# Altium PCB Notecarrier-XI_V4.PcbDoc (part 1 of 2)
Units mm, origin at the board's own origin, x right, y up, seen from the top; angles counter-clockwise.
Board outline 74.12 x 95.45 mm, 4 copper layers (Top Layer, GROUND, POWER, Bottom Layer), stack 1.556 mm thick; 103 components, 85 nets, 532 pads, 362 vias.
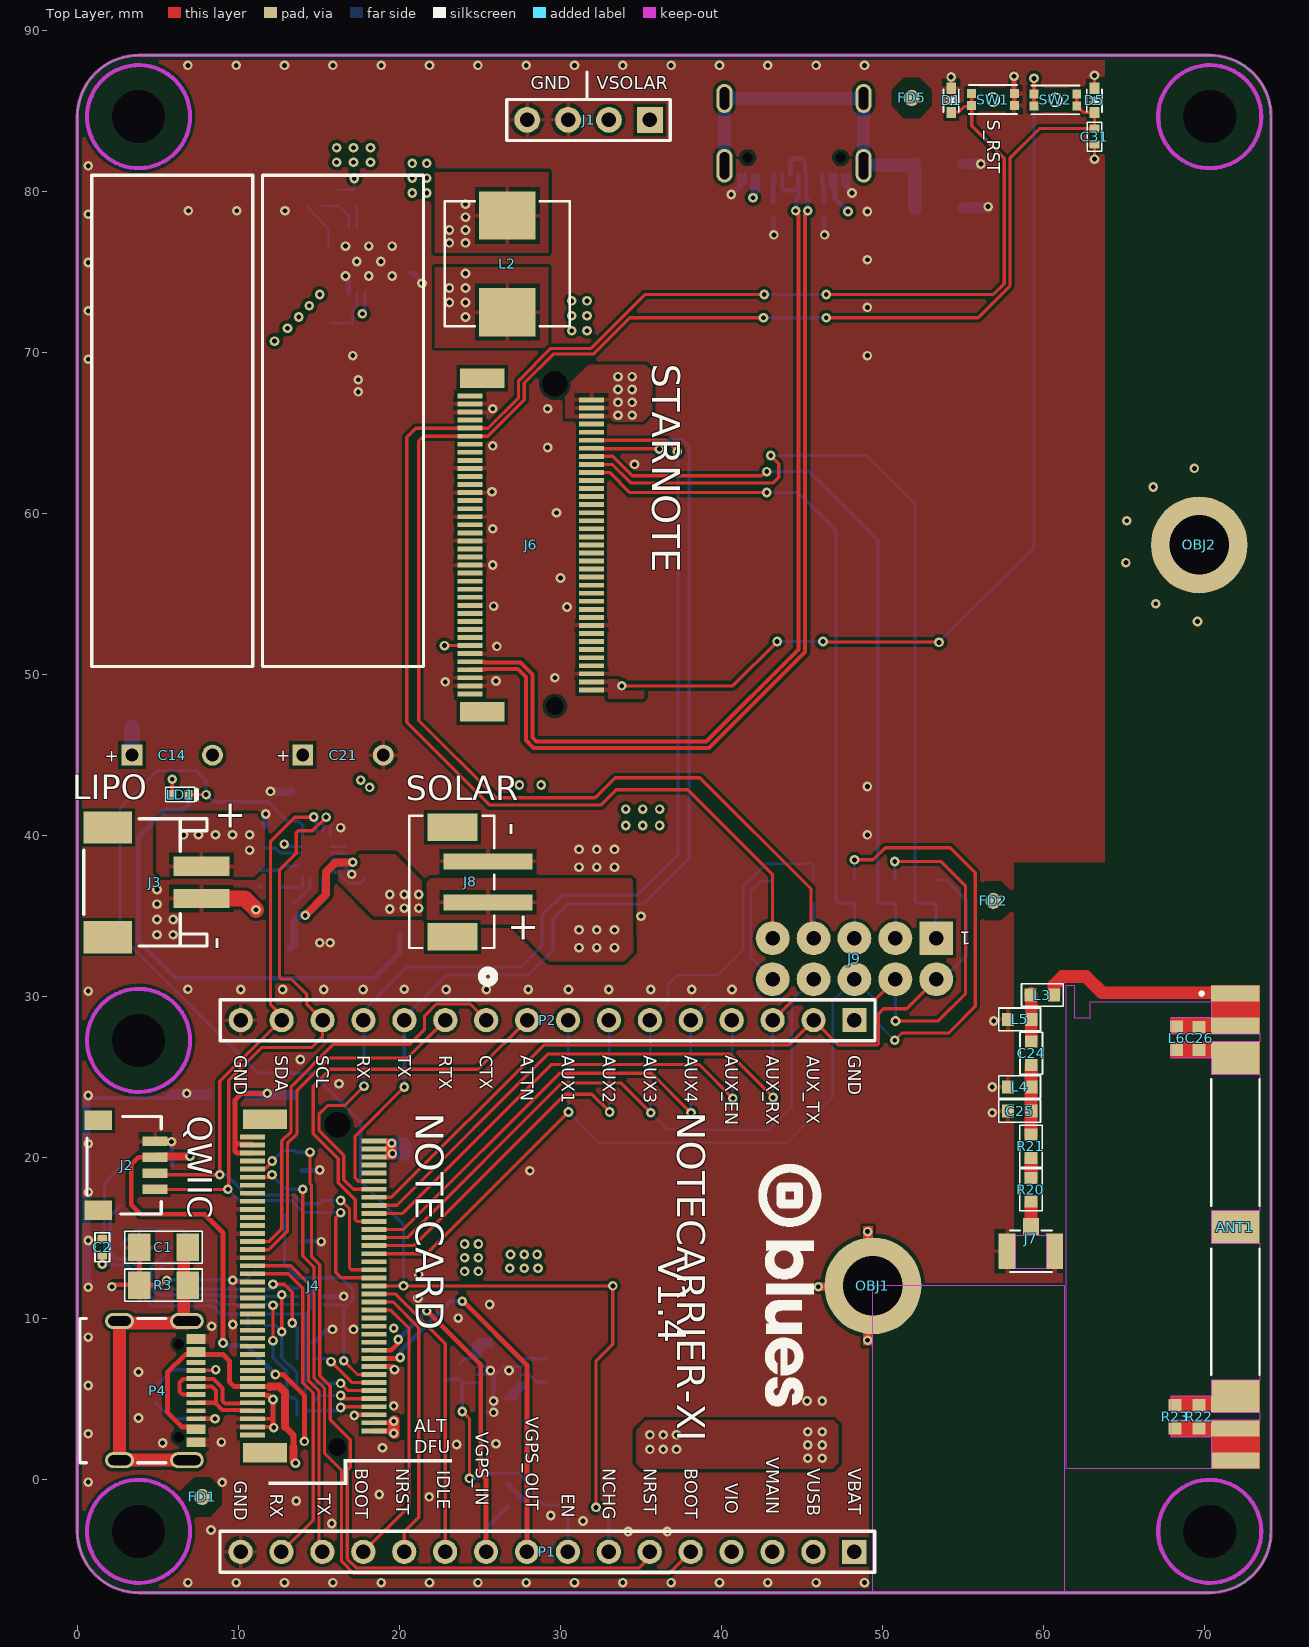
[diagram p0: Top Layer view]
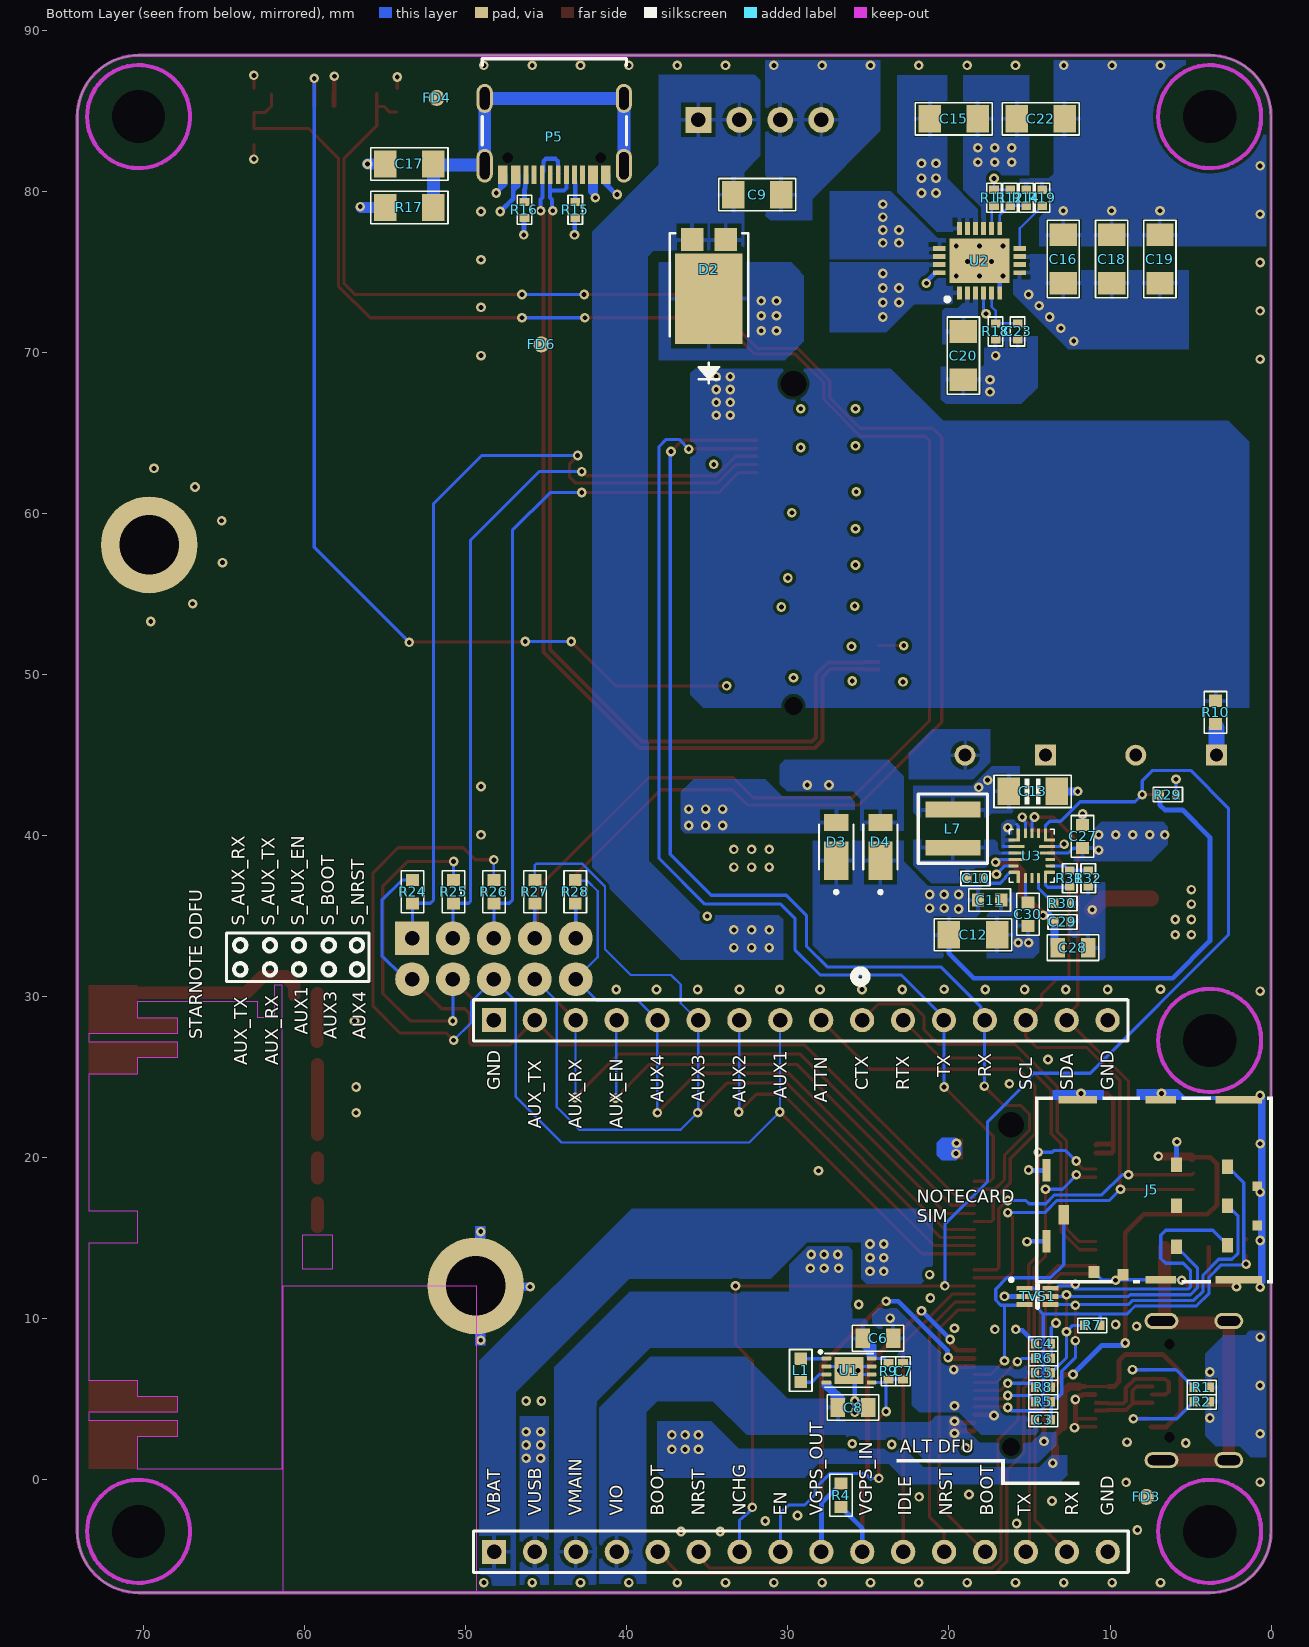
[diagram p1: Bottom Layer view, seen from below]
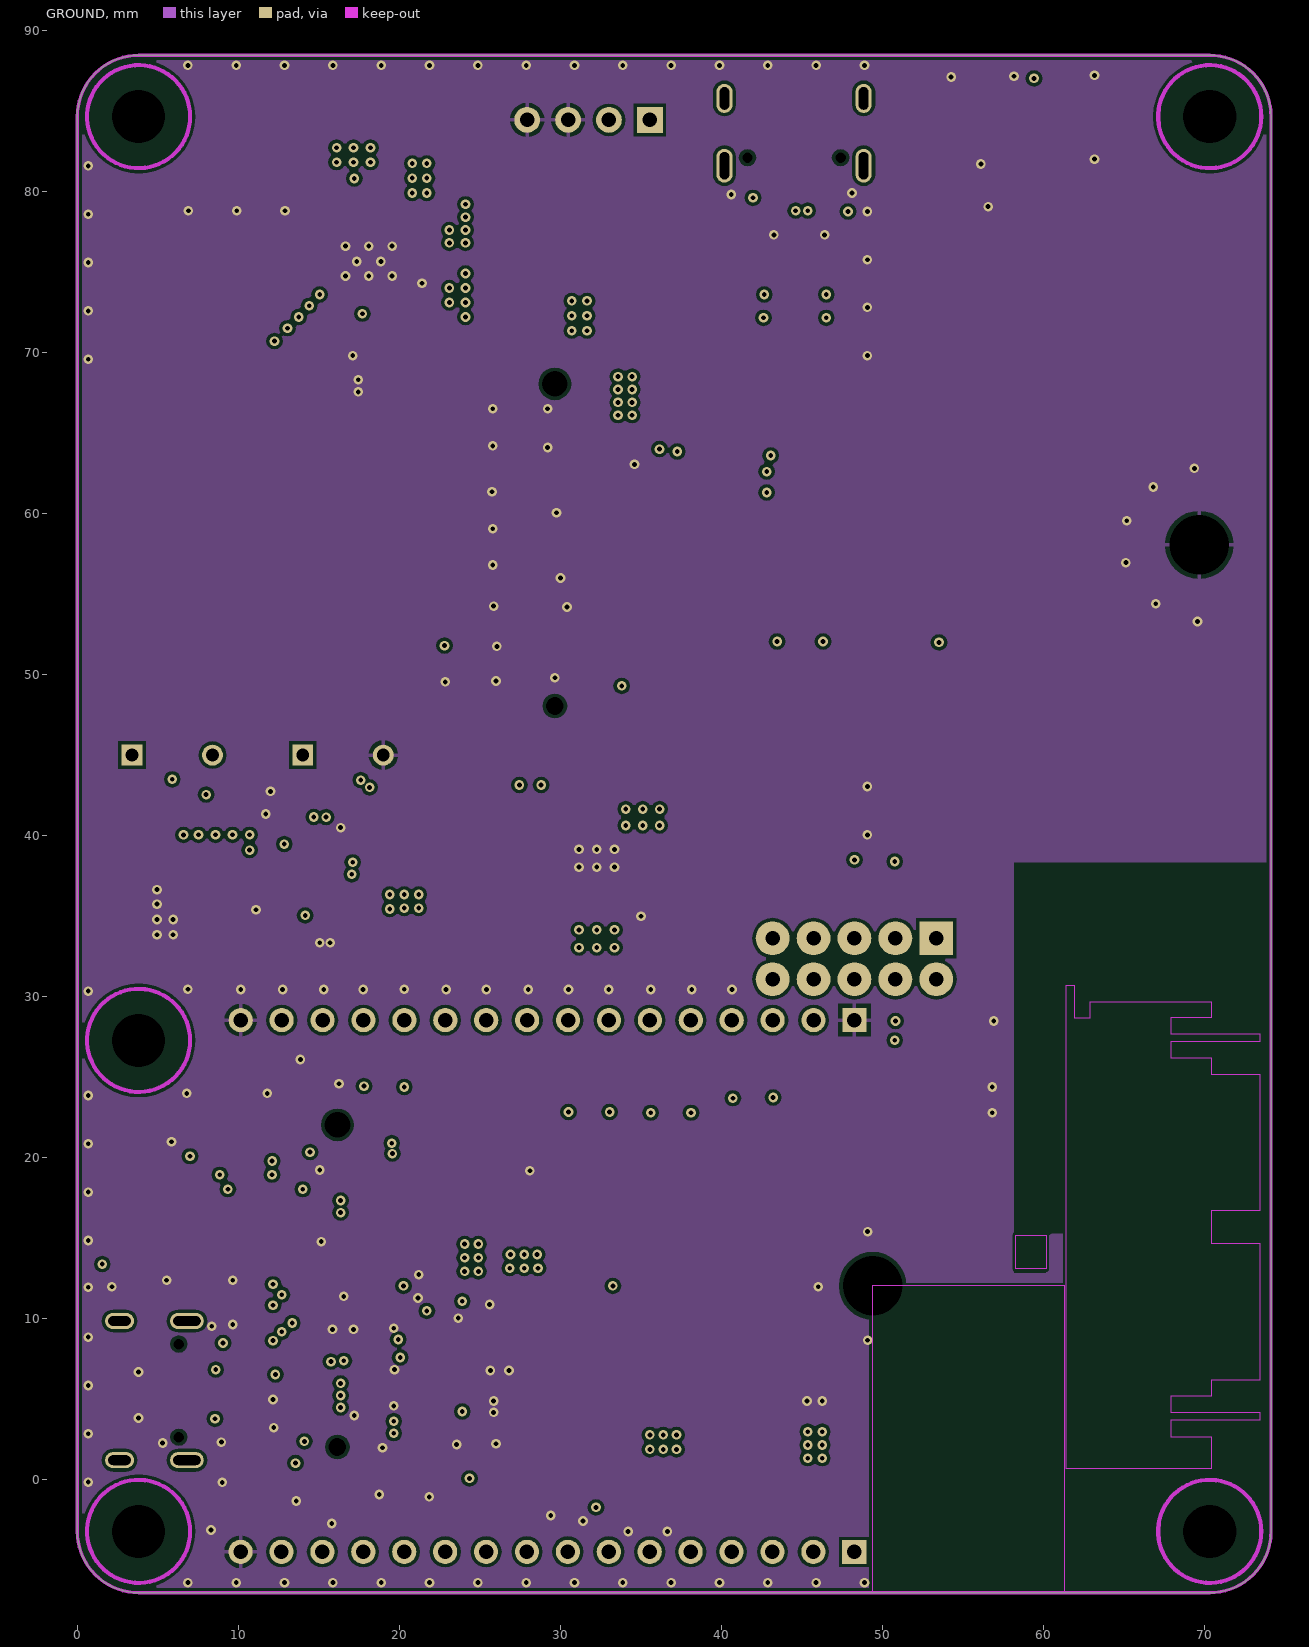
[diagram p2: GROUND]
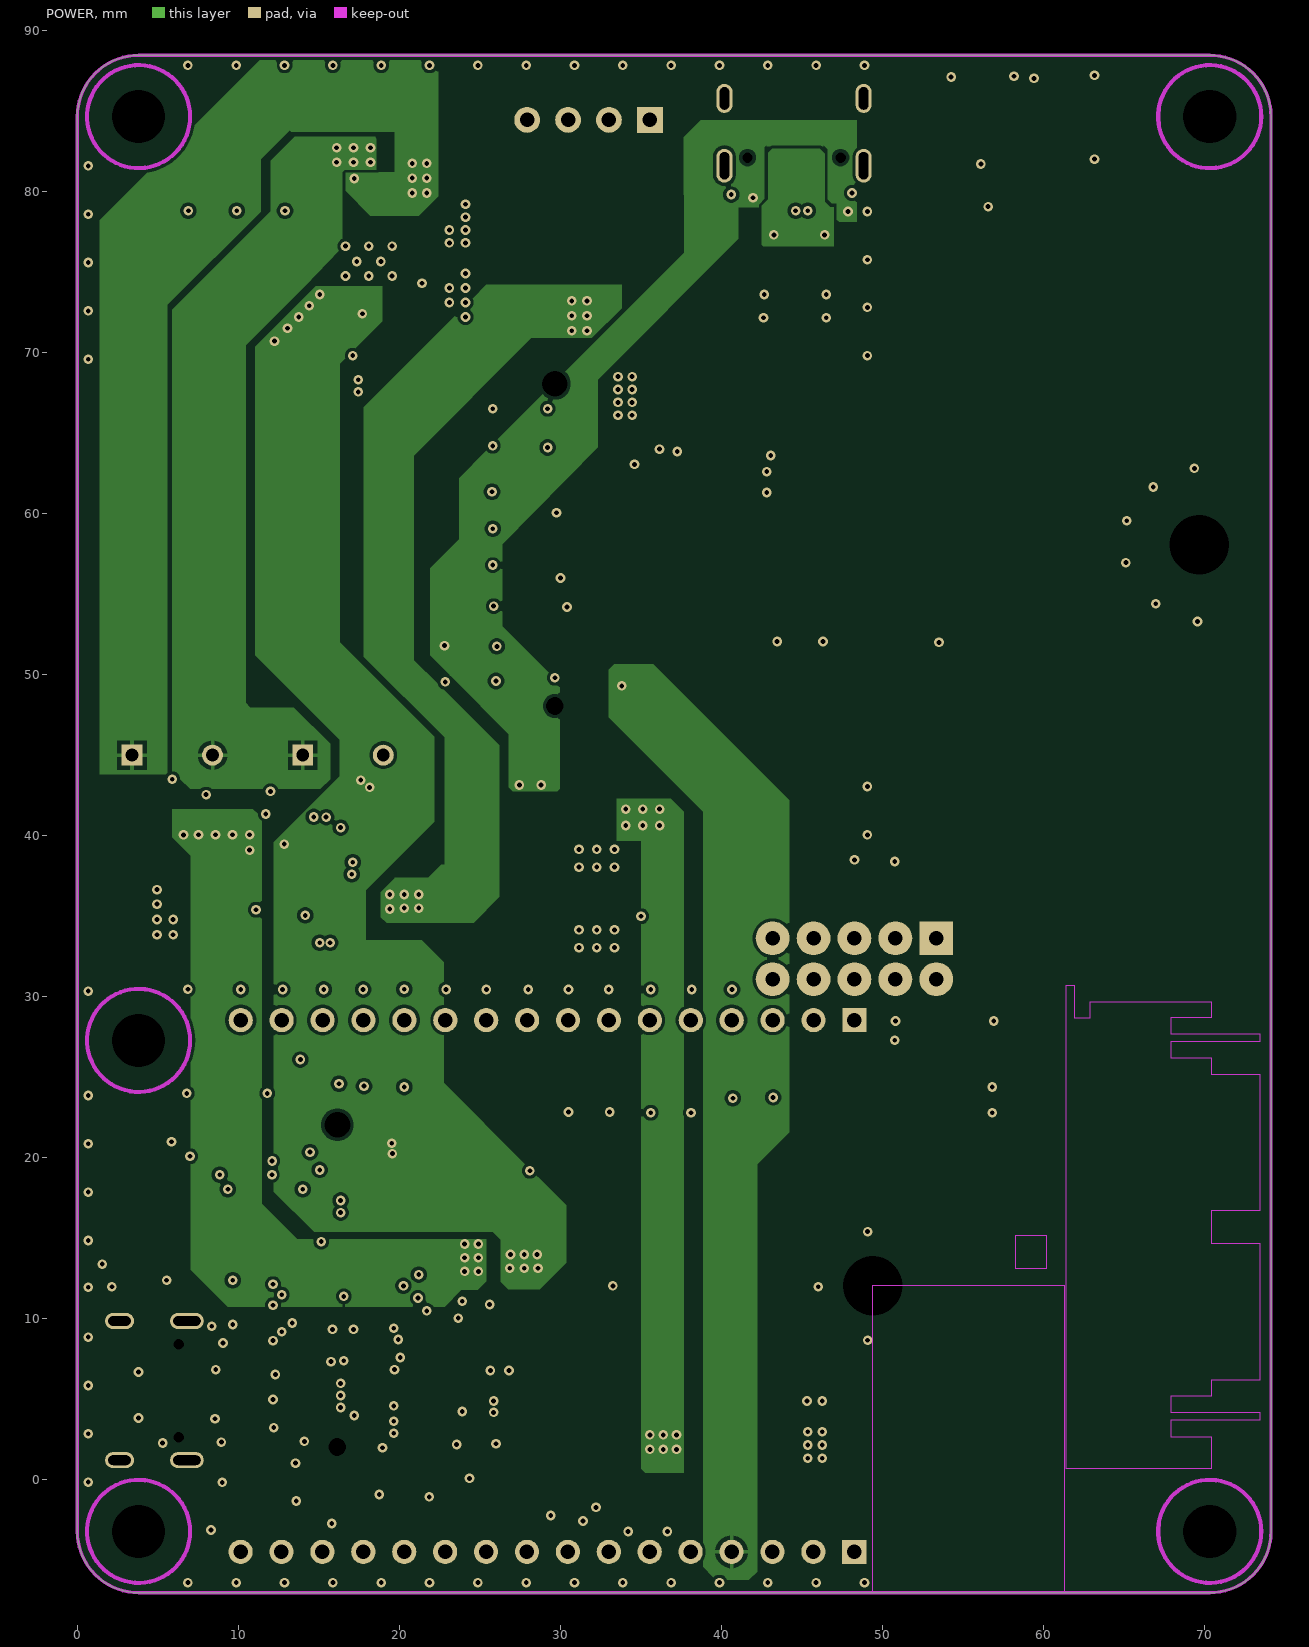
[diagram p3: POWER]

## Layer stack, top to bottom
Top Solder: solder mask 0.015, Solder Resist, Dk 3.5
Top Layer: signal copper 0.035
Dielectric1: prepreg 0.203, FR-4, Dk 4.2
GROUND: signal copper 0.025
Dielectric2: core 1.03, FR-4, Dk 4.2
POWER: signal copper 0.025
Dielectric3: prepreg 0.203, FR-4, Dk 4.2
Bottom Layer: signal copper 0.035
Bottom Solder: solder mask 0.015, Solder Resist, Dk 3.5

## Board outline
0,-3.19 0,84.64 cw(c3.81,84.64) 3.81,88.45 70.305,88.45 cw(c70.305,84.64) 74.115,84.64 74.115,-3.19 cw(c70.305,-3.19) 70.305,-7 3.81,-7 cw(c3.81,-3.19)

## Design rules (kind name [scope] priority, off if disabled: settings)
Clearance Clearance_Via [isVia vs isVia] p1: gap=0 ignorepadtopadclearanceinfootprint=FALSE
Clearance Clearance_Polygon_50ohm [InNetClass('50ohm') vs InPoly] p2: gap=0.15 ignorepadtopadclearanceinfootprint=FALSE
Clearance "Clearance Polygon" [InPoly] p3: gap=0.2 ignorepadtopadclearanceinfootprint=FALSE
Clearance [All] p4: gap=0.15 ignorepadtopadclearanceinfootprint=FALSE
ComponentClearance ComponentClearance_SIM [InComponent('P3') vs InComponent('U7')] p1: gap=0 collisioncheckmode=3 verticalgap=0 showdistances=FALSE
ComponentClearance ComponentClearance_Logo [InComponent('LG1')] p2: gap=0 collisioncheckmode=3 verticalgap=0 showdistances=FALSE
ComponentClearance [All] p3: gap=0 collisioncheckmode=3 verticalgap=0 showdistances=FALSE
DiffPairsRouting [InDifferentialPairClass('All Differential Pairs')] p1: maxlimit=0.254 minlimit=0.15 mostfreqgap=0.254 toplayer_maxgap=0.15 toplayer_prefgap=0.15 toplayer_minwidth=0.259 toplayer_maxwidth=0.259 toplayer_prefwidth=0.259 bottomlayer_maxgap=0.15 bottomlayer_prefgap=0.15 bottomlayer_minwidth=0.259 bottomlayer_maxwidth=0.259 bottomlayer_prefwidth=0.259 impedanceprofiledriven=TRUE impedanceprofileid={1530AFC9-1D9B-43AC-B6AA-152522D25EE9} impedanceprofilevalue=90.000000 maxuncoupledlength=12.7
FabricationTestPointUsage TestPointUsage [All] p1: valid=0 allowmultiple=FALSE
FabricationTestpoint Testpoint [All] p1: side=3 testpointundercomponent=TRUE minsize=1.016 maxsize=2.54 preferedsize=1.524 minholesize=0 maxholesize=1.016 preferedholesize=0.813 testpointgrid=0.025 allowsidetop=TRUE allowsidebottom=TRUE usegrid=TRUE gridtolerance=0
HoleSize [All] p1: absolutevalues=TRUE maxlimit=5 minlimit=0.025 maxpercent=80.000 minpercent=20.000
HoleToHoleClearance [All] p1: gap=0.3 allowstackedmicrovias=TRUE
MinimumSolderMaskSliver [All] p1: minsoldermaskwidth=0.025
NetAntennae [InNet('NetA1_1')] p1: netantennaetolerance=500
PasteMaskExpansion [All] p1: expansion=-0.025
PlaneClearance [All] p1: clearance=0.3
PlaneConnect [All] p1: planeconnectstyle=Relief reliefexpansion=0.2 reliefentries=4 reliefconductorwidth=0.25 reliefairgap=0.2
PolygonConnect PolygonConnect_TP [HasFootprint('PCB_Testpoint_SMD')] p1: connectstyle=Direct reliefconductorwidth=0.254 reliefentries=4 polygonreliefangle="90 Angle" airgapwidth=0.254
PolygonConnect PolygonConnect_Antenna [(HasFootprint('ANT_868MHz_Sigfox_Impulse_Meter_V4'))] p2: connectstyle=Direct reliefconductorwidth=0.254 reliefentries=4 polygonreliefangle="90 Angle" airgapwidth=0.254
PolygonConnect PolygonConnect_Via [IsVia] p3: connectstyle=Direct reliefconductorwidth=0.254 reliefentries=4 polygonreliefangle="90 Angle" airgapwidth=0.254
PolygonConnect [All] p4: connectstyle=Relief reliefconductorwidth=0.25 reliefentries=4 polygonreliefangle="90 Angle" airgapwidth=0.254
RoutingVias [All] p1: holewidth=0.3 width=0.6 viastyle="Through Hole" minholewidth=0.3 minwidth=0.6 maxholewidth=0.4 maxwidth=1.27 useviatemplates=TRUE viatemplateguid#1={F87F1DD2-2830-4113-9D3C-AC319E6AD003} viatemplatename#1=v60h30m0mx0
ShortCircuit "PCB Antenna" [(HasFootprint('ANT_868MHz_Sigfox_Impulse_Meter_V4'))] p1: allowed=TRUE
ShortCircuit [All] p2: allowed=FALSE
SilkToSilkClearance [All] p1: silktosilkclearance=0.1
SilkToSolderMaskClearance SilkscreenOverComponentPads [IsPad] p1: minsilkscreentomaskgap=0.1 clearancetoexposedcopper=TRUE
SolderMaskExpansion [All] p1: expansion=0.1 istentingtop=FALSE
SupplyNets "Schematic Supply Nets_13" [InNet('+VSOLAR')] p1: voltage=0.000
SupplyNets "Schematic Supply Nets_12" [InNet('+VBUS')] p2: voltage=0.000
SupplyNets "Schematic Supply Nets_11" [InNet('+VMODEM')] p3: voltage=0.000
SupplyNets "Schematic Supply Nets_10" [InNet('+VMAIN')] p4: voltage=0.000
SupplyNets "Schematic Supply Nets_9" [InNet('USB_SHIELD')] p5: voltage=0.000
SupplyNets "Schematic Supply Nets_8" [InNet('+VACT_GPS_IN')] p6: voltage=0.000
SupplyNets "Schematic Supply Nets_7" [InNet('+VACT_GPS_OUT')] p7: voltage=0.000
SupplyNets "Schematic Supply Nets_6" [InNet('+VUSB')] p8: voltage=0.000
SupplyNets "Schematic Supply Nets_4" [InNet('GND')] p9: voltage=0.000
SupplyNets "Schematic Supply Nets_3" [InNet('+VUSB_S')] p10: voltage=0.000
SupplyNets "Schematic Supply Nets_2" [InNet('+VBAT')] p11: voltage=0.000
SupplyNets "Schematic Supply Nets_1" [InNet('+VIO')] p12: voltage=0.000
SupplyNets "Schematic Supply Nets" [InNet('USB_SHIELD_2')] p13: voltage=0.000
Width [All] p1: maxlimit=3 minlimit=0.15 preferedwidth=0.3 toplayer_prefwidth=0.2 midlayer1_prefwidth=0.15 minimp=50.000000 maximp=50.000000 favimp=50.000000 checkconnectedcopper=TRUE
16 further rules are at their usual default settings.

## Classes and differential pairs
differential pair USB_S_D: +USB_S_D_P -USB_S_D_N
differential pair USB_D: +USB_D_P -USB_D_N

## Components (designator, comment, footprint, x,y, rotation, side; value= is the part's Value field where it differs from the comment)
ANT1 "NN03-310" XCVR_NN03-310 71.9,15.7 r270 top
C1 "10n/1000V" C-1206 5.35,14.45 r180 top
C2 "100n" C-0402 1.55,14.45 r270 top
C3 "33p" C-0402 14.15,3.75 r180 bottom
C4 "33p" C-0402 14.15,8.45 r180 bottom
C5 "33p" C-0402 14.15,6.65 r180 bottom
C6 "22u" C-0805 24.4,8.8 r0 bottom
C7 "100n" C-0402 22.85,6.75 r90 bottom
C8 "22u" C-0805 25.95,4.5 r0 bottom
C9 "10u" C-1206 31.9,79.8 r0 bottom
C10 "47n/50V" C-0402 18.35,37.35 r0 bottom
C11 "100n" C-0603 17.475,36 r0 bottom
C12 "10u" C-1206 18.5,33.85 r180 bottom
C13 "10u" C-1206 14.8,42.75 r180 bottom
C14 "BCAP0010_P300_X12" BCAP0010P300X12 3.4,45 r0 top
C15 "10u" C-1206 19.7,84.5 r0 bottom
C16 "10u" C-1206 12.9,75.8 r270 bottom
C17 "10n/1000V" C-1206 53.5,81.7 r0 bottom
C18 "10u" C-1206 9.9,75.8 r270 bottom
C19 "10u" C-1206 6.9,75.8 r270 bottom
C20 "10u" C-1206 19.1,69.8 r90 bottom
C21 "BCAP0010_P300_X12" BCAP0010P300X12 14,45 r0 top
C22 "10u" C-1206 14.3,84.5 r0 bottom
C23 "220p" C-0402 15.735,71.3 r90 bottom
C24 "2.2p" MN_0402_0603 59.227,26.5 r270 top
C25 "1p" MN_0402_0603 58.5,22.9 r0 top
C26 "0.5p" MN_0402_0603 69.65,27.409 r270 top
C27 "4u7" C-0603 11.7,39.95 r270 bottom
C28 "10u" C-0805 12.3,33.05 r0 bottom
C29 "100n" C-0402 12.95,34.65 r0 bottom
C30 "4u7" C-0603 15.1,35.125 r90 bottom
C31 "100n" C-0402 63.15,83.4 r270 top
D1 "PESD5V0X1UB,135" SOD-523F 54.25,85.65 r270 top
D2 "FSV1045V" DIO_FSV1045V 34.9,74.2 r0 bottom
D3 "DFLS1100-7" DIO_DFLS1100-7 27,39.3 r90 bottom
D4 "DFLS1100-7" DIO_DFLS1100-7 24.25,39.3 r90 bottom
D5 "PESD5V0X1UB,135" SOD-523F 63.15,85.65 r270 top
FD1 "Fiducial mark" "Fiducial mark 1mm" 7.75,-1.05 r0 top
FD2 "Fiducial mark" "Fiducial mark 1mm" 56.869,35.958 r0 top
FD3 "Fiducial mark" "Fiducial mark 1mm" 7.75,-1.05 r180 bottom
FD4 "Fiducial mark" "Fiducial mark 1mm" 51.8,85.8 r180 bottom
FD5 "Fiducial mark" "Fiducial mark 1mm" 51.8,85.8 r0 top
FD6 "Fiducial mark" "Fiducial mark 1mm" 45.3,70.5 r180 bottom
J1 "Header 2.54mm 1x4" "HEADER 2.54MM 1X4" 35.55,84.435 r180 top
J2 "SM04B-SRSS-TB(LF)(SN)" "JST SM04B-SRSS-TB" 2.805,19.54 r90 top
J3 "S2B-PH-SM4-K-TB" "CONN S2B-PH-SM4" 4.962,37.1 r90 top
J4 "MDT420E01001" "J-75-0050-MOS-M2 - TELITWIFIV2" 14.65,12.05 r90 top locked
J5 "SF72S006VBDR2500" J-NANOSIM-SF72S006VBA 6.75,18 r90 bottom locked
J6 "MDT420E01001" "J-75-0050-MOS-M2 - STARNOTEIV3" 28.15,58.05 r90 top locked
J7 "U.FL-R-SMT-1(10)" HRS_U.FL-R-SMT-1(10) 59.2,14.2 r180 top
J8 "B2B-PH-SM4-TBT (LF)(SN)" CONN2_B2B-PH-SM4_JST 23.246,37.13 r90 top
J9 "STRIP 5Px2 - MDT" J-5X2-0254-MDT 53.33,33.63 r180 top
L1 "MCKK1608T1R0MN" L-0603 29.2,6.8 r270 bottom
L2 "SRP7050WA-3R3M" IND_SRP7050_BRN 26.7,75.5 r270 top
L3 "LQW15AN2N3G80D" MN_0402_0603 59.917,30.1 r180 top
L4 "LQW18AN10NG80D" MN_0402_0603 58.5,24.4 r0 top
L5 "LQW18AN8N4G80D" MN_0402_0603 58.5,28.6 r0 top
L6 "LQW18AN12NG80D" MN_0402_0603 68.25,27.434 r90 top
L7 "XFL4020-152MEC" IND_XFL4020 19.75,40.435 r90 bottom
LD1 "SML-P12WTT86R" LED-0402 6.4,42.55 r180 top
OBJ1 "9774025151R" DIST-WASMSIM0250#1 49.4,12.05 r0 top
OBJ2 "9774025151R" DIST-WASMSIM0250#2 69.65,58.05 r0 top
P1 "Header 2.54mm 1x16" "Header 2.54mm 1X16" 48.24,-4.46 r180 top
P2 "Header 2.54mm 1x16" "Header 2.54mm 1X16" 48.25,28.55 r180 top
P4 "12402012E212A" CONN_12402012E212A 5,5.55 r270 top
P5 "12402012E212A" CONN_12402012E212A 44.5,83.4 r0 bottom
R1 "5k1" R-0402 4.3,5.75 r0 bottom
R2 "5k1" R-0402 4.3,4.85 r180 bottom
R3 "1M" R-1206 5.35,12.1 r180 top
R4 "0R0" R-0603 26.7,-0.95 r90 bottom
R5 "22R" R-0402 14.15,4.85 r180 bottom
R6 "22R" R-0402 14.15,7.55 r180 bottom
R7 "15k" R-0402 11.1,9.6 r180 bottom
R8 "22R" R-0402 14.15,5.75 r180 bottom
R9 "10M" R-0402 23.75,6.75 r270 bottom
R10 "0R0" R-0603 3.45,47.65 r90 bottom
R11 "100k" R-0402 17.2,79.6 r270 bottom
R12 "732k" R-0402 16.2,79.6 r90 bottom
R14 "100k" R-0402 15.2,79.6 r270 bottom
R15 "5k1" R-0402 43.2,78.85 r90 bottom
R16 "5k1" R-0402 46.35,78.85 r270 bottom
R17 "1M" R-1206 53.5,79 r0 bottom
R18 "7k32" R-0402 17.1,71.3 r90 bottom
R19 "135k" R-0402 14.2,79.6 r270 bottom
R20 "0R0" MN_0402_0603 59.2,18.025 r90 top
R21 "0R0" MN_0402_0603 59.2,20.725 r90 top
R22 "0R0" MN_0402_0603 69.65,3.93 r270 top
R23 "0R0" MN_0402_0603 68.15,3.93 r270 top
R24 "0R0" R-0603 53.3,36.525 r90 bottom
R25 "0R0" R-0603 50.75,36.525 r90 bottom
R26 "0R0" R-0603 48.25,36.525 r90 bottom
R27 "0R0" R-0603 45.7,36.525 r90 bottom
R28 "0R0" R-0603 43.2,36.525 r90 bottom
R29 "3k" R-0402 6.4,42.55 r0 bottom
R30 "3k" R-0402 12.95,35.8 r0 bottom
R31 "11k" R-0402 12.5,37.35 r90 bottom
R32 "15k" R-0402 11.35,37.35 r90 bottom
SW1 "EVP-BB2A9B000" SW_EVP-BB2A9B000 56.85,85.7 r0 top
SW2 "EVP-BB2A9B000" SW_EVP-BB2A9B000 60.725,85.675 r180 top
TVS1 "PESD5V0L5UV,125" SOT666 14.5,11.4 r270 bottom
U1 "ISL9122AIRNZ-T" DFN50P200X300x75-8T180X165 26.2,6.8 r180 bottom
U2 "LTC3128EUFD#PBF" QFN50P400X500X80-21N-D 18.1,75.7 r90 bottom
U3 "BQ25628ERYKR" QFN40P300X150X80-18N 14.85,38.75 r90 bottom
